# Altium PCB netv2mvp-pvt1b.PCBDOC (part 7 of 7)
Units mm, origin at the board's own origin, x right, y up, seen from the top; angles counter-clockwise.
Board outline 100 x 100 mm, 6 copper layers (L1, L2, L3, L4, L5, L6), stack 1.554 mm thick; 357 components, 296 nets, 2117 pads, 969 vias.
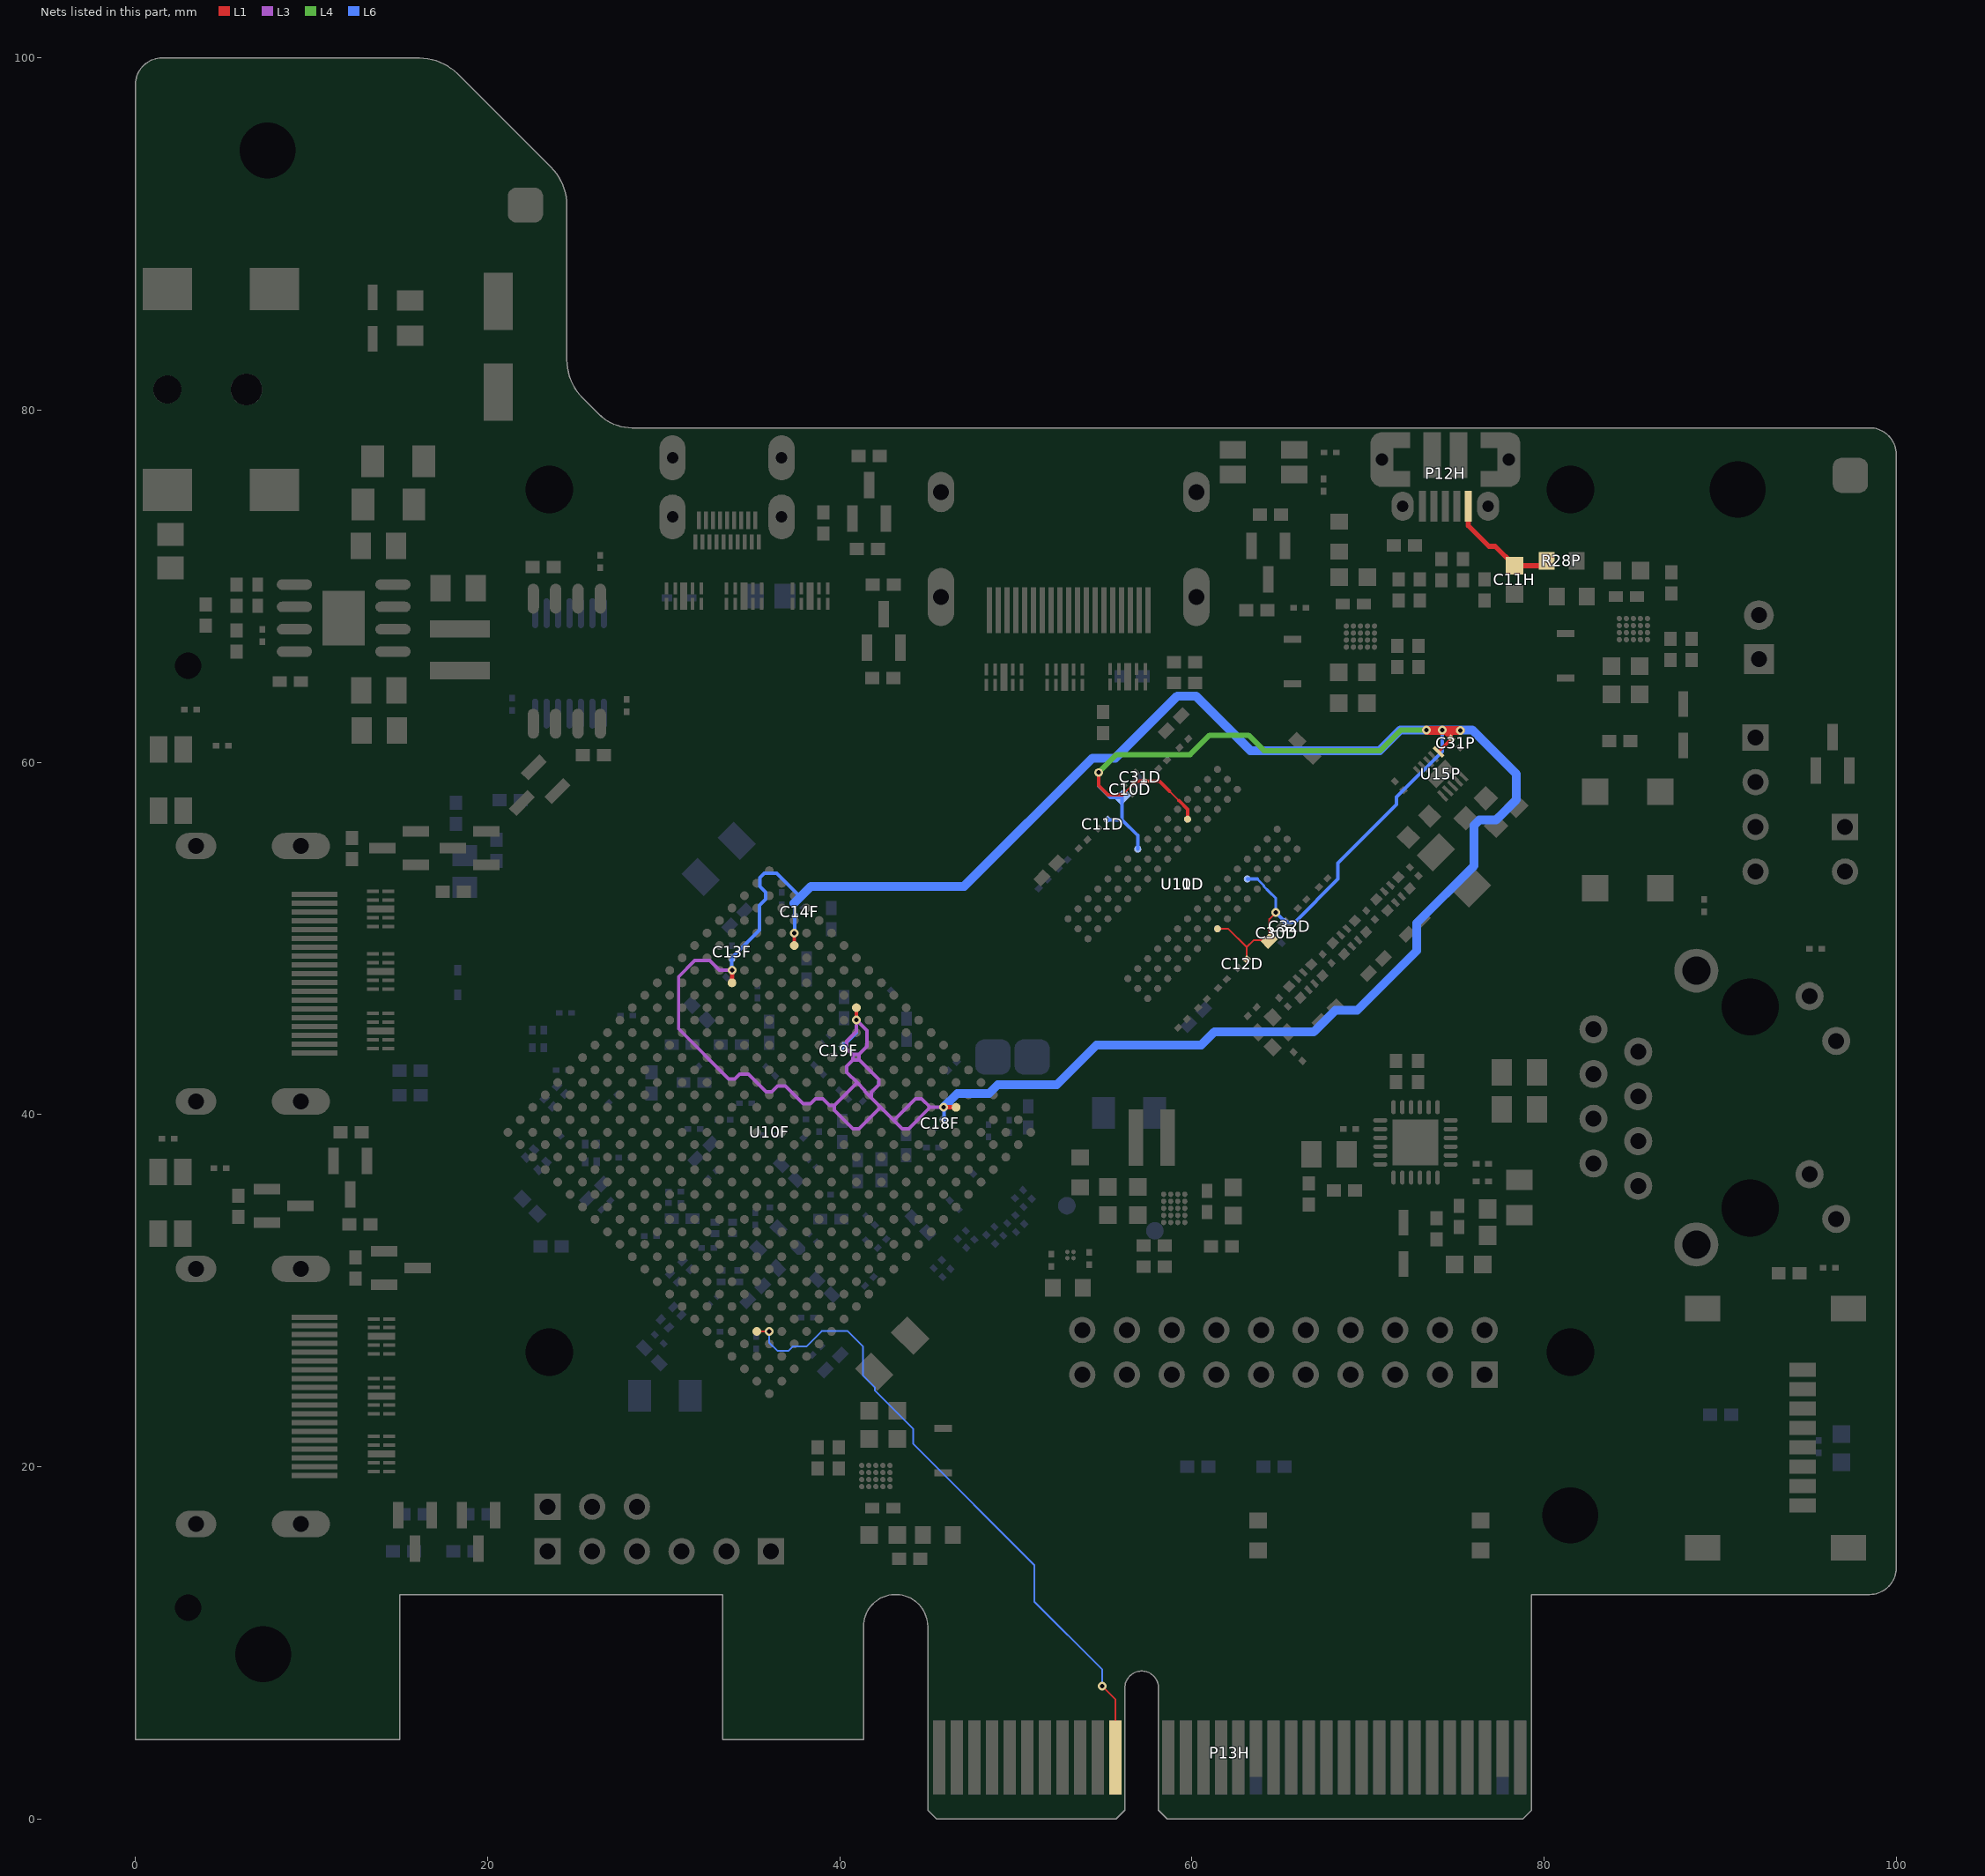
[diagram p11: the nets of this part, all layers, seen from the top]

## Via types
v1: diameter 0.5, hole 0.25, L1 to L6, tented both sides, 895 vias
v2: diameter 0.45, hole 0.25, L1 to L6, tented both sides, 57 vias
v3: diameter 0.7, hole 0.33, L1 to L6, 6 vias
v4: diameter 0.7, hole 0.33, L1 to L6, tented both sides, 5 vias
v5: diameter 0.66, hole 0.33, L1 to L6, tented top, 4 vias
v6: diameter 0.5, hole 0.25, L1 to L6, tented top, 2 vias

## Nets (pads, with @x,y where several pads share a name; then routed paths per layer and width w, separated by ;. In a path a pad name is that pad's centre, name@x,y a point inside that pad or via, vN(x,y) a via of type N, cw(c..) or ccw(c..) an arc to the next point about the centre after c; other vN are vias at no path point) (continued)
VTT_REF: C10D.2 C11D.1 C12D.1 C13F.1 C14F.1 C18F.1 C19F.1 C30D.2 C31D.1 C31P.1 C32D.1 U10D.H1 U10D.M8 U10F.E3 U10F.N3 U10F.V3 U10F.W7 U11D.H1 U11D.M8 U15P.6 | length 215.9
  L1 w0.1: 56.05,58.15 56.575,58.675 ; 58.738,58.359 59.248,57.848 ; U11D.H1@61.453,50.553 62.072,50.553 63.115,49.51 ; C12D.1@63.115,48.82 63.115,49.51 ; v1(64.775,51.473) 64.401,51.099 C30D.2@64.401,49.901 63.505,49.901 63.115,49.51
  L1 w0.2: U10F.V3@37.414,49.607 v1(37.414,50.298) ; U10F.N3@40.95,46.071 40.952,46.069 v1(40.952,45.377) ; v1(54.7,59.425) 54.7,58.675 55.225,58.15 56.05,58.15 ; 56.575,58.675 56.832,58.932 C31D.1@57.316,58.932 58.165,58.932 58.738,58.359 ; 59.248,57.848 59.756,57.341 U11D.M8@59.756,56.775 ; U15P.6@74.01,60.603 74.728,61.321 C31P.1@74.728,61.347 ; v1(74.225,61.85) 74.25,61.825 C31P.1@74.728,61.347 ; 74.725,61.825 74.728,61.822 C31P.1@74.728,61.347
  L1 w0.25: U10F.W7@33.879,47.485 v1(33.879,48.2) ; v1(45.892,40.414) U10F.E3@46.607,40.414
  L1 w0.5: v1(73.325,61.85) 73.35,61.825 74.25,61.825 74.725,61.825 v1(75.25,61.825)
  L3 w0.2: v1(33.879,48.2) 33.175,48.2 32.625,48.75 31.775,48.75 30.85,47.825 30.85,44.875 33.7,42.025 34.05,42.025 34.325,42.3 34.825,42.3 35.825,41.3 36.15,41.3 36.475,41.625 36.925,41.625 37.925,40.625 38.35,40.625 38.625,40.9 39.05,40.9 39.425,40.525 39.7,40.525 ; v1(45.892,40.414) 45.136,40.414 ; 39.7,40.525 39.7,40.25 40.75,39.2 41.1,39.2 42.325,40.425 ; 39.7,40.525 40.987,41.812 ; 40.75,43.1 41.075,43.1 41.1,43.125 ; 40.75,43.1 40.4,42.75 40.4,42.4 40.987,41.812 ; 40.75,43.1 40.75,43.4 ; 40.75,43.4 40.775,43.425 41.1,43.425 ; 40.75,43.4 40.4,43.75 40.4,44.175 40.952,44.727 v1(40.952,45.377) 41.55,44.779 41.55,43.875 41.1,43.425 ; 40.987,41.812 41.425,41.375 41.425,41.325 41.8,40.95 ; 41.1,43.125 41.1,43.425 ; 41.1,43.125 42.225,42 42.225,41.7 41.8,41.275 41.8,40.95 ; 41.8,40.95 42.325,40.425 ; 42.325,40.425 43.075,39.675 ; 43.075,39.675 44.3,40.9 44.65,40.9 45.136,40.414 ; 43.075,39.675 43.55,39.2 43.922,39.2 45.136,40.414
  L4 w0.3: v1(54.7,59.425) 55.725,60.45 59.9,60.45 61,61.55 63.225,61.55 64.1,60.675 70.7,60.675 71.875,61.85 v1(73.325,61.85) v1(74.225,61.85)
  L6 w0.15: 63.719,53.381 64.091,53.009 64.091,52.959 64.375,52.675 ; 64.376,52.675 64.775,52.276 v1(64.775,51.473)
  L6 w0.18: U10D.M8@63.15,53.381 63.719,53.381
  L6 w0.2: v1(33.879,48.2) 33.875,48.204 C13F.1@33.875,48.9 35.45,50.475 35.45,51.875 35.8,52.225 35.8,52.625 35.475,52.95 35.475,53.45 35.725,53.7 36.425,53.7 37.75,52.375 ; 37.4,52 37.453,51.947 C14F.1@37.453,51.278 37.453,50.337 v1(37.414,50.298) ; C19F.1@40.172,43.872 40.952,44.652 v1(40.952,45.377) ; v1(45.892,40.414) 45.922,40.383 C18F.1@45.922,39.747 ; v1(54.7,59.425) 54.7,58.65 55.35,58 C10D.2@56.025,58 ; C11D.1@55.195,56.74 56.035,56.74 ; C10D.2@56.035,58.01 56.035,56.74 ; U10D.H1@56.927,55.078 56.927,55.848 56.035,56.74 ; v1(64.775,51.473) C32D.1@65.307,50.942 65.867,50.942 68.3,53.375 68.3,54.275 71.625,57.6 71.625,58.025 74.225,60.625 v1(74.225,61.85)
  L6 w0.5: 37.4,52 38.367,52.967 47.067,52.967 54.35,60.25 55.65,60.25 59.175,63.775 60.225,63.775 63.325,60.675 70.675,60.675 71.85,61.85 v1(73.325,61.85) v1(74.225,61.85) 75.925,61.85 78.425,59.35 78.425,57.875 77.275,56.725 76.325,56.725 76.025,56.425 76.025,54.125 72.775,50.875 72.775,49.3 69.4,45.925 68.15,45.925 66.925,44.7 61.275,44.7 60.525,43.95 54.575,43.95 52.325,41.7 48.975,41.7 48.475,41.2 46.677,41.2 v1(45.892,40.414)
VUSB: C11H.1 P12H.1 R28P.2 | length 6.5
  L1 w0.3: P12H.1@75.7,74.475 75.7,73.45 76.875,72.275 77.225,72.275 C11H.1@78.325,71.175 79.875,71.175 R28P.2@80.15,71.45
WAKE#: P13H.B11 U10F.D20 | length 36.9
  L1 w0.1: U10F.D20@35.293,27.686 v1(35.993,27.686) ; v1(54.9,7.55) 55.65,6.8 P13H.B11@55.65,3.5
  L6 w0.1: v1(35.993,27.686) 35.993,27.057 36.475,26.575 37.075,26.575 37.325,26.825 38.1,26.825 38.975,27.7 40.45,27.7 41.325,26.825 41.325,25.175 42,24.5 42,24.325 44.175,22.15 44.175,21.3 51.05,14.425 51.05,12.35 54.9,8.5 v1(54.9,7.55)
pads on no net: J10E.NPT J10E.R7 J10H.14 J11E.0 J11H.14 J11H.18 J12H.14 JP10P.0 P10H.2 P11C.2 P11C.18 P11C.20 P13H.A19 P13H.A32 P13H.B30 RP14D.8 SW10C.4 U10D.J1 U10D.J9 U10D.L1 U10D.L9 U10D.M7 U10D.T7 U10E.7 U10E.16 U10F.AA4 U10F.AA5 U10F.AA6 U10F.AA8 U10F.AA9 U10F.AA10 U10F.AA11 U10F.AA13 U10F.AA14 U10F.AA15 U10F.AA16 U10F.AA20 U10F.AB6 U10F.AB7 U10F.AB8 U10F.AB10 U10F.AB11 U10F.AB12 U10F.AB13 U10F.AB15 U10F.AB16 U10F.AB17 U10F.C13 U10F.D14 U10F.D16 U10F.E16 U10F.E17 U10F.E21 U10F.F4 U10F.F15 U10F.F18 U10F.F19 U10F.G4 U10F.G15 U10F.G16 U10F.G17 U10F.G18 U10F.H13 U10F.H14 U10F.H15 U10F.H17 U10F.H19 U10F.H20 U10F.J14 U10F.J15 U10F.J16 U10F.J17 U10F.K13 U10F.K16 U10F.K17 U10F.K19 U10F.L4 U10F.L6 U10F.L18 U10F.M15 U10F.M17 U10F.M18 U10F.M20 U10F.N13 U10F.N14 U10F.N15 U10F.N17 U10F.N18 U10F.N19 U10F.P14 U10F.P15 U10F.R4 U10F.R6 U10F.R14 U10F.R18 U10F.T1 U10F.T3 U10F.T4 U10F.T5 U10F.T6 U10F.T14 U10F.T15 U10F.T16 U10F.T20 U10F.U1 U10F.U2 U10F.U3 U10F.U7 U10F.U15 U10F.U16 U10F.V10 U10F.V13 U10F.V14 U10F.V15 U10F.V19 U10F.V22 U10F.W1 U10F.W2 U10F.W10 U10F.W11 U10F.W12 U10F.W14 U10F.W15 U10F.W16 U10F.Y4 U10F.Y6 U10F.Y11 U10F.Y12 U10F.Y13 U10F.Y14 U10F.Y16 U10F.Y17 U10F.Y21 U10F.Y22 U11D.J1 U11D.J9 U11D.L1 U11D.L9 U11D.M7 U11D.T7

## Polygon pours and split planes (outlines as drawn)
P5.0V on L3 "P5.0V_L03_P020" (solid, remove dead copper, pour order 20): 60.867,36.4 62.845,36.4 63.8,37.3 63.8,39.618 64.583,40.45 74.6,40.45 74.6,43.775 68.65,43.775 68.1,44.325 65.25,44.325 64.175,43.25 61.515,43.25 60.2,41.935 60.2,37.067
P1.2VTT on L3 "P1.2VTT_L03_P000" (solid, remove dead copper, pour order 0): 53.1,33.4 52.025,34.475 52.025,38.85 51.475,39.4 46.9,39.4 42.475,34.975 42.475,32.6 43.025,32.05 43.5,32.05 44,32.05 55,32.05 55.35,32.4 55.35,33.075 55.025,33.4
P5.0V on L3 "P5.0V_L03_P028" (solid, remove dead copper, pour order 28): 70.95,41.4 73.125,41.4 80.2,34.325 80.2,32.3 80.85,31.65 84.175,31.65 84.875,32.35 84.875,34.375 80.7,38.55 80.7,40.675 77.6,43.775 74.6,43.775
GND on L1 "GND_L01_P024" (solid, remove dead copper, pour order 24): 99.657,5.435 99.657,78.76 67.082,111.335 0.257,111.335 -10.243,100.835 -10.243,11.735 -3.943,5.435
GND on L1 "GND_L01_P002" (solid, remove dead copper, pour order 2): 18.85,99.4 18.85,90.225 25.225,90.225 25.25,90.2 25.25,96.525 22.35,99.425
GND on L1 "GND_L01_P006" (solid, remove dead copper, pour order 6): 95.025,79.725 95.025,73.75 95,73.725 100.75,73.725 100.775,73.7 100.775,79.75 100.725,79.8
GND on L6 "GND_L06_P022" (solid, remove dead copper, pour order 22): -2.8,111.6 87.4,111.6 101.15,97.85 101.15,11.2 96.05,6.1 4.2,6.1 -9.2,19.5 -5.1,23.6 -5.1,111.3
GND on L6 "GND_L06_P004" (solid, remove dead copper, pour order 4): 18.85,99.825 18.85,90.225 24.875,90.225 24.925,90.275 24.925,97.6 22.725,99.8
GND on L6 "GND_L06_P008" (solid, remove dead copper, pour order 8): 95.025,79.925 95.025,73.725 100.675,73.725 100.7,73.7 100.7,79.275 100.25,79.725
P5.0V on L4 "P5.0V_L04_P010" (solid, remove dead copper, pour order 10): 84.375,69.925 81.925,67.475 78.4,67.475 73.8,72.075 45,72.075 40.625,67.7 30.35,67.7 28.2,69.85 28.2,71.425 27.35,72.275 25.025,72.275 19.5,66.75 19.5,59.894 13.762,59.894 13.763,64.888 13.763,76.888 18.825,81.95 83.125,81.95 84.375,80.7
P5.0V on L4 "P5.0V_L04_P012" (solid, remove dead copper, pour order 12): 72.775,29.475 72.775,22.975 70.35,20.55 49.5,20.55 46.65,17.7 46.65,17.3 49.45,14.5 49.825,14.5 52.475,17.15 74.25,17.15 78.6,21.5 78.6,28.775 78.6,28.83 78.6,28.8 78.6,28.77 78.6,29.475
P5.0V on L4 "P5.0V_L04_P026" (solid, remove dead copper, pour order 26): 84.375,78.472 99.278,78.472 100.75,77 100.75,22.125 100.15,21.525 100.025,21.65 74.1,21.65 72.775,22.975 72.775,29.7 76.725,33.65 83.475,33.65 88.1,29.025 91.85,29.025 94.3,31.475 94.3,50.425 93.15,51.575 93.15,64.875 88.1,69.925 84.375,69.925
GND on L2 (split plane): 217 vertices, not listed, extent 0.301,0.301 99.699,99.699
P3.3V on L5 (split plane): 217 vertices, not listed, extent 0.301,0.301 99.699,99.699
P1.5V_D on L5 (split plane): 69.048,64.383 69.048,61.9 69.056,61.861 69.078,61.828 69.578,61.328 70.348,60.558 70.348,59.075 70.356,59.036 70.378,59.003 72.428,56.953 72.461,56.931 72.5,56.923 73.473,56.923 73.473,56.292 72.658,55.477 71.875,55.477 71.836,55.469 71.803,55.447 71.278,54.922 71.256,54.889 71.248,54.85 71.248,52.517 65.253,46.522 65.231,46.489 65.223,46.45 65.223,45.4 65.231,45.361 65.253,45.328 66.403,44.178 66.436,44.156 66.475,44.148 66.758,44.148 67.398,43.508 67.398,42.942 66.378,41.922 66.283,41.827 58.975,41.827 58.936,41.819 58.903,41.797 55.852,38.746 55.852,38.914 55.844,38.953 55.822,38.986 54.536,40.272 54.503,40.294 54.464,40.302 53.075,40.302 53.036,40.294 53.003,40.272 51.483,38.752 44.167,38.752 37.672,45.247 37.639,45.269 37.6,45.277 36.95,45.277 36.911,45.269 36.878,45.247 36.608,44.977 35.392,44.977 35.122,45.247 35.089,45.269 35.05,45.277 34.225,45.277 34.186,45.269 34.153,45.247 33.803,44.897 33.781,44.864 33.773,44.825 33.773,44.642 33.566,44.436 32.809,44.436 32.697,44.547 32.664,44.569 32.625,44.577 32.25,44.577 32.211,44.569 32.178,44.547 31.96,44.329 31.534,44.329 30.952,44.911 30.952,46.658 31.272,46.978 31.294,47.011 31.302,47.05 31.302,47.35 31.302,53.083 32.372,54.153 35.017,56.798 36.875,56.798 36.914,56.806 36.947,56.828 41.467,61.348 56.775,61.348 56.814,61.356 56.847,61.378 59.217,63.748 66.675,63.748 66.714,63.756 66.747,63.778 67.617,64.648 68.783,64.648
P1.8V on L5 (split plane): 34.348,42.733 34.348,42.567 34.003,42.222 33.981,42.189 33.973,42.15 33.973,41.6 33.981,41.561 34.003,41.528 34.273,41.258 34.273,40.95 34.273,40.65 34.281,40.611 34.303,40.578 35.678,39.203 35.711,39.181 35.75,39.173 36.975,39.173 37.014,39.181 37.047,39.203 37.167,39.323 37.608,39.323 37.925,39.006 37.925,37.623 37.933,37.584 37.955,37.551 39.748,35.758 39.748,34.575 39.756,34.536 39.778,34.503 40.678,33.603 40.711,33.581 40.75,33.573 41.883,33.573 43.798,31.658 43.798,31.3 43.806,31.261 43.828,31.228 44.873,30.183 44.873,30.059 44.868,30.052 44.861,30.012 44.868,29.973 44.873,29.966 44.873,27.875 44.881,27.836 44.903,27.803 45.248,27.458 45.248,26.525 45.248,22.817 44.108,21.677 43.017,21.677 42.577,22.117 42.577,24.575 42.569,24.614 42.547,24.647 41.477,25.717 41.477,30.025 41.469,30.064 41.447,30.097 41.172,30.372 41.139,30.394 41.1,30.402 40.775,30.402 40.736,30.394 40.703,30.372 40.483,30.152 39.992,30.152 38.697,31.447 38.452,31.692 38.452,32.283 39.272,33.103 39.294,33.136 39.302,33.175 39.302,33.525 39.294,33.564 39.272,33.597 39.222,33.647 38.972,33.897 38.939,33.919 38.9,33.927 38.55,33.927 38.511,33.919 38.478,33.897 38.358,33.777 37.917,33.777 37.177,34.517 37.177,35.737 37.169,35.776 37.147,35.809 36.934,36.022 36.901,36.044 36.862,36.052 35.1,36.052 35.061,36.044 35.028,36.022 34.708,35.702 34.5,35.702 34.177,36.025 34.177,36.33 34.497,36.65 34.519,36.683 34.527,36.722 34.527,37.05 34.519,37.089 34.497,37.122 34.322,37.297 33.422,38.197 33.389,38.219 33.35,38.227 32.392,38.227 31.502,39.117 31.502,40.758 33.072,42.328 33.912,43.168
P1.0V on L5 (split plane): 44.053,38.578 44.086,38.556 44.125,38.548 51.525,38.548 51.564,38.556 51.597,38.578 53.117,40.098 54.422,40.098 55.648,38.872 55.648,38.55 55.653,38.525 55.648,38.5 55.648,35.742 55.308,35.402 51.3,35.402 51.261,35.394 51.228,35.372 49.083,33.227 47.85,33.227 47.811,33.219 47.778,33.197 45.828,31.247 45.806,31.214 45.798,31.175 45.798,30.992 45.069,30.263 45.069,30.264 45.047,30.297 44.002,31.342 44.002,31.7 43.994,31.739 43.972,31.772 41.997,33.747 41.964,33.769 41.925,33.777 40.792,33.777 39.952,34.617 39.952,35.8 39.944,35.839 39.922,35.872 38.129,37.665 38.129,39.048 38.121,39.087 38.099,39.12 37.722,39.497 37.689,39.519 37.65,39.527 37.125,39.527 37.086,39.519 37.053,39.497 36.933,39.377 35.792,39.377 34.477,40.692 34.477,40.95 34.477,41.3 34.469,41.339 34.447,41.372 34.177,41.642 34.177,42.108 34.522,42.453 34.544,42.486 34.552,42.525 34.552,42.775 34.544,42.814 34.522,42.847 34.247,43.122 33.739,43.63 33.739,44.32 33.947,44.528 33.969,44.561 33.977,44.6 33.977,44.783 34.267,45.073 35.008,45.073 35.278,44.803 35.311,44.781 35.35,44.773 36.65,44.773 36.689,44.781 36.722,44.803 36.992,45.073 37.558,45.073
VTT on L5 (split plane): 80.248,56.933 80.248,56.267 78.708,54.727 76.525,54.727 76.486,54.719 76.453,54.697 74.078,52.322 74.056,52.289 74.048,52.25 74.048,50.192 69.558,45.702 68.15,45.702 68.111,45.694 68.078,45.672 66.758,44.352 66.517,44.352 65.427,45.442 65.427,46.408 71.422,52.403 71.444,52.436 71.452,52.475 71.452,54.808 71.917,55.273 72.7,55.273 72.739,55.281 72.772,55.303 73.647,56.178 73.669,56.211 73.677,56.25 73.677,57.229 73.946,57.498 79.683,57.498

## Keep-outs
L1:
  rectangle: 0,89.7 12.7,110.15
  rectangle: 79.3,12.75 100,13.75
  region: 0,4.45 15,4.45 ccw(c15,4.5) 15.05,4.5 15.05,12.7 33.3,12.7 33.3,7.95 ccw(c33.35,7.95) 33.35,7.9 41.35,7.9 ccw(c41.35,7.95) 41.4,7.95 ccw(c41.35,7.95) 41.4,7.951 41.4,10.925 cw(c43.175,10.925) 44.95,10.925 ccw(c45,10.925) 45.05,10.925 45.05,13.75 ccw(c45,13.75) 45,13.8 0,13.8 ccw(c0,13.75) -0.05,13.75 -0.05,4.5 ccw(c0,4.5)
L6:
  rectangle: 79.3,12.75 100,13.75
  rectangle: 0,89.7 12.7,110.15
  rectangle: 0,13.75 5.08,89.7
  region: 0,4.45 15,4.45 ccw(c15,4.5) 15.05,4.5 15.05,12.7 33.3,12.7 33.3,7.95 ccw(c33.35,7.95) 33.35,7.9 41.35,7.9 ccw(c41.35,7.95) 41.4,7.95 ccw(c41.35,7.95) 41.4,7.951 41.4,10.925 cw(c43.175,10.925) 44.95,10.925 ccw(c45,10.925) 45.05,10.925 45.05,13.75 ccw(c45,13.75) 45,13.8 0,13.8 ccw(c0,13.75) -0.05,13.75 -0.05,4.5 ccw(c0,4.5)
TopSolder:
  rectangle: 33.35,4.5 41.35,7.95
BottomSolder:
  rectangle: 33.35,4.5 41.35,7.95
KeepOutLayer:
  lines w0.1: 0,4.5 0,98.5 cw(c1.5,98.5) 1.5,100 12,100 16.13,100 cw(c16.13,96.934) 18.298,99.102 23.602,93.798 cw(c21.434,91.63) 24.5,91.63 24.5,86.23 24.5,82.87 ccw(c27.566,82.87) 25.398,80.702 26.322,79.778 ccw(c28.2,81.656) 28.2,79 98.5,79 cw(c98.5,77.5) 100,77.5 100,14.25 cw(c98.5,14.25) 98.5,12.75 79.3,12.75 79.3,0.5 78.8,0 58.6,0 58.1,0.5 58.1,7.45 ccw(c57.15,7.45) 56.2,7.45 56.2,0.5 55.7,0 45.5,0 45,0.5 45,10.925 ccw(c43.175,10.925) 41.35,10.925 41.35,4.5 33.35,4.5 33.35,12.75 15,12.75 15,4.5 0,4.5

## Other copper
L1:
  rectangle net P5.0V: 61.772,36.3 63.2,38.175
  pour cut-out: 15.9,90.9 15.9,98.6 18.3,98.6 18.3,90.9
  pour cut-out: 31.4,8 42.5,8 42.5,3.4 31.4,3.4
  text "1" at 16.3,98.4 h1.2 r270
L3:
  region net P1.5V_D: 60.814,48.929
  text "3" at 16.3,96.1 h1.2 r270
L4:
  text "4" at 16.3,94.9 h1.2 r270
L6:
  pour cut-out: 15.9,90.875 15.9,98.6 18.3,98.6 18.3,90.875
  pour cut-out: 31.4,8 42.5,8 42.5,3.4 31.4,3.4
  text "6" at 16.3,92.3 h1.2 r270
L2 (plane layer: these items are gaps in the copper):
  rectangle: 15.925,90.925 18.3,96
  rectangle: 15.925,97.3 18.3,98.6
  rectangle: 33.1,4.5 41.2,8
  text "2" at 16.3,97.3 h1.2 r270
L5 (plane layer: these items are gaps in the copper):
  rectangle: 15.9,93.6 18.3,98.6
  rectangle: 15.9,90.95 18.3,92.3
  rectangle: 33.35,4.5 41.35,8
  lines w0.2: 33.637,44.362 33.637,43.587 34.175,43.05 ; 34.25,37.225 34.425,37.05 ; 39.15,33.575 39.2,33.525 ; 44.962,30.012 45.9,30.95 45.9,31.175 47.85,33.125 49.125,33.125 51.3,35.3 55.35,35.3 55.75,35.7 55.75,38.5 58.975,41.725 65.5,41.725 66.325,41.725 66.45,41.85 67.5,42.9 67.5,43.55 66.8,44.25 ; 45.35,26.525 45.35,27.5 ; 55.75,38.55 55.75,38.914 54.464,40.2 53.075,40.2 51.525,38.65 51.075,38.65 48.8,38.65 44.125,38.65 37.6,45.175 36.95,45.175 36.65,44.875 35.35,44.875 35.05,45.175 34.225,45.175 33.875,44.825 33.875,44.6 33.609,44.334 33.359,44.334 32.766,44.334 32.625,44.475 32.25,44.475 32.002,44.227 31.492,44.227 30.85,44.869 30.85,46.7 31.2,47.05 31.2,47.35 31.2,53.125 32.3,54.225 34.975,56.9 36.875,56.9 41.425,61.45 56.775,61.45 59.175,63.85 66.675,63.85 67.575,64.75 68.825,64.75 69.15,64.425 69.15,61.9 ; 69.65,61.4 69.15,61.9 ; 73.575,57.025 72.5,57.025 70.45,59.075 70.45,60.6 69.15,61.9 ; 74.2,57.6 73.904,57.6 ; 34.425,36.722 34.075,36.372 34.075,35.983 34.458,35.6 34.75,35.6 35.1,35.95 35.525,35.95 36.862,35.95 37.075,35.737 37.075,34.475 37.875,33.675 38.4,33.675 38.55,33.825 38.9,33.825 39.2,33.525 ; 34.425,36.722 34.425,37.05 ; 34.425,36.722 34.425,37.05 ; 34.425,37.05 33.35,38.125 32.35,38.125 31.4,39.075 31.4,40.8 33,42.4 33.912,43.312 34.45,42.775 34.45,42.525 34.075,42.15 34.075,41.6 34.375,41.3 34.375,40.95 34.375,40.65 35.75,39.275 36.425,39.275 36.975,39.275 37.125,39.425 37.65,39.425 38.027,39.048 38.027,37.623 39.85,35.8 39.85,34.575 40.75,33.675 41.925,33.675 43.9,31.7 43.9,31.3 44.975,30.225 44.975,27.875 45.35,27.5 ; 39.2,33.525 39.2,33.175 38.35,32.325 38.35,31.65 38.625,31.375 39.95,30.05 40.525,30.05 40.775,30.3 41.1,30.3 41.375,30.025 41.375,25.675 42.475,24.575 42.475,22.075 42.975,21.575 44.15,21.575 45.35,22.775 45.35,27.5 ; 66.8,44.25 66.475,44.25 65.325,45.4 65.325,46.45 71.35,52.475 71.35,54.85 71.875,55.375 72.7,55.375 73.575,56.25 73.575,57.271 73.904,57.6 ; 66.8,44.25 68.15,45.6 69.6,45.6 74.15,50.15 74.15,52.25 76.525,54.625 78.75,54.625 80.35,56.225 80.35,56.975 79.725,57.6 73.904,57.6
  text "5" at 16.3,93.6 h1.2 r270

## Silkscreen, mask and mechanical layers (free items; w line width, h text height)
TopOverlay:
  lines w0.2: 53.2,36.45 54.1,36.65 ; 53.2,36.85 54.1,37.05
  text "GND" at 20.7,88.9 h1.5
  text "6-18V @ 12W, center +" at 1.7,88.5 h1.5
  text "FUSB" at 69.85,74.55 h1.5 r90
  text "PWR" at 3.3,73.3 h1.5 r270
  text "GND" at 96.025,72.675 h1.5
  text "FAN (12V)" at 92.925,71.125 h1.5
  text "+" at 89.8,67.1 h0.8 r90
  text "TX1" at 33.3,66.2 h1.5
  text "-" at 89.8,64.7 h0.8 r90
  text "OVERLAY" at 47.2,61.9 h1.5
  text "3V" at 88.9,60.845 h1.5
  text "Alphamax LLC / NeTV2 MVP" at 31.1,59 h2
  text "RX" at 88.8,58.445 h1.5
  text "PVT1B - 07/18" at 31.1,57.5 h1.5
  text "TX" at 88.8,55.945 h1.5
  text "GND" at 87.8,53.345 h1.5
  text "JTAG" at 94.5,53.19 h1.5 r90
  text "MODE" at 95.6,53.09 h1.5 r90
  text "PROG" at 83.1,50.76 h1.5
  text "TX0" at 16.4,49.4 h1.5 r270
  text "DPA" at 52.2,33.2 h0.7 r90
  text "TDO" at 57.3,28.9 h1.5
  text "TDI" at 60.3,28.9 h1.5
  text "TMS" at 62.6,28.9 h1.5
  text "GND" at 66.9,28.9 h1.5 r90
  text "TCK" at 67.8,28.9 h1.5
  text "INT1" at 70.75,28.9 h1.5
  text "INT0" at 73.5,28.9 h1.5
  text "RX0" at 16.4,25 h1.5 r270
  text "5V" at 74.5,23 h1.5
  text "TX" at 67,22.4 h1.5 r90
  text "RX" at 69.5,22.4 h1.5 r90
  text "GND" at 72.1,21.2 h1.5 r90
  text "GND" at 54.2,21.1 h1.5 r90
  text "INIT" at 59.3,21.1 h1.5 r90
  text "GND" at 61.8,21.1 h1.5 r90
  text "DON" at 64.4,21.1 h1.5 r90
  text "PROG" at 56.75,20.25 h1.5 r90
  text "SNOOP" at 24.855,19.3 h1.5 r90
  text "SOURCE" at 27.75,19.25 h1.5 r90
  text "GND" at 36.605,16.8 h1.5 r90
  text "HAX8" at 31.5,16.75 h1.5 r90
  text "HAX7" at 34,16.75 h1.5 r90
BottomOverlay:
  circle w0.2: c86.625,69.55 r0.811
  region: 18.325,70.75 18.325,77.95 1.925,77.95 1.925,70.75
  lines w0.2: 53.2,36.444 54.1,36.644 ; 53.2,36.844 54.1,37.044 ; 53.5,35.1 54,35.1 ; 56.7,34.5 56.9,34.5 57.5,33.9
  text "c  2018 Alphamax LLC" at 87.037,69.091 h2
  text "+" at 93.6,67.9 h1.5 r270
  text "Copyrights: CERN OHL v1.2" at 87.137,67.041 h2
  text "-" at 93.6,65.4 h1.5 r270
  text "Patents: Apache 2.0" at 87.1,65.1 h2
  text "bunnie@alphamaxmedia.com" at 87.1,63.4 h1.5
  text "3V" at 90.35,60.845 h1.5
  text "RX" at 90.45,58.445 h1.5
  text "MODE" at 95.6,56.69 h1.5 r90
  text "JTAG" at 94.5,56.49 h1.5 r90
  text "TX" at 90.45,55.945 h1.5
  text "GND" at 90.45,53.345 h1.5
  text "DPA CUT" at 56.9,35.8 h0.7
  text "DPA BYP" at 56.835,33.29 h0.7
  text "TDO" at 58.5,29.8 h1.5 r270
  text "TDI" at 61,29.8 h1.5 r270
  text "TMS" at 63.6,29.8 h1.5 r270
  text "GND" at 66.1,29.8 h1.5 r270
  text "TCK" at 68.6,29.8 h1.5 r270
  text "INT1" at 71.1,29.8 h1.5 r270
  text "INT0" at 73.6,29.8 h1.5 r270
  text "RX" at 68.6,21.2 h1.5 r270
  text "GND" at 71.2,21.2 h1.5 r270
  text "5V" at 73.6,21.2 h1.5 r270
  text "5V" at 76.1,21.2 h1.5 r270
  text "GND" at 53.3,21.1 h1.5 r270
  text "INIT" at 58.4,21.1 h1.5 r270
  text "GND" at 60.9,21.1 h1.5 r270
  text "DON" at 63.5,21.1 h1.5 r270
  text "TX" at 66.1,21.1 h1.5 r270
  text "PROG" at 55.75,20.25 h1.5 r270
TopSolder:
  rectangle: 18.725,90.1 25.125,98.9
  rectangle: 94.925,73.65 100.375,79.625
BottomSolder:
  rectangle: 18.75,90.125 25.05,98.875
  rectangle: 94.925,73.65 100.4,79.65
PCI-SIG Outline:
  lines w0.1: 98.5,12.75 ccw(c98.5,14.25) 100,14.25 100,77.5 ccw(c98.5,77.5) 98.5,79 28.2,79 cw(c28.2,81.656) 26.322,79.778 25.398,80.702 cw(c27.566,82.87) 24.5,82.87 24.5,86.23 24.5,91.63 ccw(c21.434,91.63) 23.602,93.798 18.298,99.102 ccw(c16.13,96.934) 16.13,100 12,100 0,100 0,4.5 15,4.5 15,12.75 33.35,12.75 33.35,4.5 41.35,4.5 41.35,10.925 cw(c43.175,10.925) 45,10.925 45,0.5 45.5,0 55.7,0 56.2,0.5 56.2,7.45 cw(c57.15,7.45) 58.1,7.45 58.1,0.5 58.6,0 78.8,0 79.3,0.5 79.3,12.75 98.6,12.75
Mechanical2:
  lines w0.1: -3.4,80.9 -0.07,80.9 cw(c-0.07,77.834) 2.098,80.002 4.729,77.371 cw(c4.559,77.2) 4.8,77.2 ; 17,23 17,59 18.7,59 21,59 21,79 ; 23.725,42.75 25.7,40.775 27.15,40.775 29.35,38.575 29.9,38.575 31.425,40.1 33.475,40.1 34.4,39.175 34.4,38.8 ; 26.3,32.1 30.175,35.975 30.55,35.975 30.8,35.725 31.325,35.725 34.4,38.8 ; 30.5,27.775 32.3,29.575 32.725,29.575 32.925,29.375 33.425,29.375 38.55,34.5 38.55,35.025 34.775,38.8 34.4,38.8 ; 42.125,50.625 40.759,49.259 cw(c40.375,49.643) 40.375,49.1 ccw(c40.375,47.591) 39.308,48.658 38.375,47.725 ccw(c40.186,45.914) 37.625,45.914 37.625,45.425 ccw(c38.41,45.425) 37.855,44.87 38.375,44.35 cw(c37.289,43.264) 38.825,43.264 38.825,42.925 ccw(c39.791,42.925) 39.108,42.242 40.3,41.05 ccw(c42.111,42.861) 42.111,40.3 42.15,40.3 cw(c42.15,37.765) 43.942,39.558 44.027,39.473 ccw(c46.195,41.641) 46.195,38.575 53.55,38.575 ; 52.5,21.1 52.5,29.4 ; 52.5,21.5 81.5,21.5 ; 53,63.6 53,88 ; 62.975,47.975 cw(c63.035,47.975) 62.993,48.018 69.625,54.65 ; 63.175,47.25 ccw(c63.175,47.371) 63.26,47.285 70.6,54.625 ; 64.2,46.925 cw(c64.743,46.925) 64.359,47.309 70.675,53.625 ; 81.5,21.2 81.5,26.5 ; 85,79.8 85,88 ; 0,23 85,23 85,79 0,79 0,23
  lines w0.2: 53,88 85,88
  text "32 mm from this back edge to HDMI center" at 55.425,89.475 h0.7
  text "bottom side height restriction = 1mm" at -55.9,79.9 h1.5
  text "+5mm extension for microSD card" at 87.225,54.8 h0.7 r270
  text "Targeting notes:" at 113.3,26.9 h1.5
  text "Long trace runs = 40 ohm (nominal impedance)" at 113,23.2 h1.5
  text "23mm center-center on HDMI connector" at -4.05,21.925 h0.7 r90
  text "*DRAM-DRAM routing = 60 ohm, with DRAM capacitance drops to 40 ohm target" at 113.3,19.7 h1.5
  text "Standardize on 50 ohm @ 0.1mm width" at 113.6,16.3 h1.5
  text "notes: 5 days sch capture, just shy of 3 weeks routing (wall clock time)" at 115,13.9 h1.5
Mechanical3:
  drawing of 4115 lines, arcs and shapes, not listed
  text "Layer" at 162.62,123.31 h1.52
  text "Name" at 173.032,123.31 h1.52
  text "Material" at 195.124,123.31 h1.52
  text "Thickness" at 216.962,123.31 h1.52
  text "Constant" at 233.468,123.31 h1.52
  text "Board Layer Stack" at 247.942,123.31 h1.52
  text "1" at 162.62,120.262 h1.52
  text "TopOverlay" at 173.032,120.262 h1.52
  text "2" at 162.62,117.214 h1.52
  text "TopSolder" at 173.032,117.214 h1.52
  text "Solder Resist" at 195.124,117.214 h1.52
  text "0.40mil" at 216.962,117.214 h1.52
  text "3.6" at 233.468,117.214 h1.52
  text "Impedance control requirements, +/- 10%" at 42.675,116.225 h2.5
  text "3" at 162.62,114.166 h1.52
  text "L1" at 173.032,114.166 h1.52
  text "Copper" at 195.124,114.166 h1.52
  text "1.40mil" at 216.962,114.166 h1.52
  text "Can reduce L1 thickness to 0.7mil / for impedance control purpose" at 109.1,112.65 h1.5
  text "4" at 162.62,111.118 h1.52
  text "Dielectric1" at 173.032,111.118 h1.52
  text "FR-4" at 195.124,111.118 h1.52
  text "3.00mil" at 216.962,111.118 h1.52
  text "3.9" at 233.468,111.118 h1.52
  text "5" at 162.62,108.07 h1.52
  text "L2" at 173.032,108.07 h1.52
  text "Copper" at 195.124,108.07 h1.52
  text "0.70mil" at 216.962,108.07 h1.52
  text "6" at 162.62,105.022 h1.52
  text "Dielectric4" at 173.032,105.022 h1.52
  text "FR-4" at 195.124,105.022 h1.52
  text "4.00mil" at 216.962,105.022 h1.52
  text "4.4" at 233.468,105.022 h1.52
  text "7" at 162.62,101.974 h1.52
  text "L3" at 173.032,101.974 h1.52
  text "Copper" at 195.124,101.974 h1.52
  text "0.70mil" at 216.962,101.974 h1.52
  text "8" at 162.62,98.926 h1.52
  text "Dielectric2" at 173.032,98.926 h1.52
  text "FR-4" at 195.124,98.926 h1.52
  text "41.60mil" at 216.962,98.926 h1.52
  text "4.4" at 233.468,98.926 h1.52
  text "9" at 162.62,95.878 h1.52
  text "L4" at 173.032,95.878 h1.52
  text "Copper" at 195.124,95.878 h1.52
  text "0.70mil" at 216.962,95.878 h1.52
  text "10" at 162.62,92.83 h1.52
  text "Dielectric3" at 173.032,92.83 h1.52
  text "FR-4" at 195.124,92.83 h1.52
  text "4.00mil" at 216.962,92.83 h1.52
  text "4.4" at 233.468,92.83 h1.52
  text "11" at 162.62,89.782 h1.52
  text "L5" at 173.032,89.782 h1.52
  text "Copper" at 195.124,89.782 h1.52
  text "0.70mil" at 216.962,89.782 h1.52
  text "0.099/0.2 pairs = 100 ohm differential" at 43.3,88.4 h1.5 r90
  text "0.099/0.2 pairs = 100 ohm differential" at 51.7,88.2 h1.5 r90
  text "0.112/0.13 pairs = 90 ohm differential" at 82.8,87.9 h1.5 r90
  text "0.13/0.14 pairs = 85 ohm differential" at 74.3,86.85 h1.5 r90
  text "12" at 162.62,86.734 h1.52
  text "Dielectric5" at 173.032,86.734 h1.52
  text "FR-4" at 195.124,86.734 h1.52
  text "3.00mil" at 216.962,86.734 h1.52
  text "3.9" at 233.468,86.734 h1.52
  text "L1/L6 0.12mm = 50 ohm / L3/L4 0.13mm = 50 ohm" at 70.069,86.6 h1.5 r90
  text "13" at 162.62,83.686 h1.52
  text "L6" at 173.032,83.686 h1.52
  text "Copper" at 195.124,83.686 h1.52
  text "1.40mil" at 216.962,83.686 h1.52
  text "Can reduce L6 thickness to 0.7mil / for impedance control purpose" at 109.675,81.575 h1.5
  text "14" at 162.62,80.638 h1.52
  text "BottomSolder" at 173.032,80.638 h1.52
  text "Solder Resist" at 195.124,80.638 h1.52
  text "0.40mil" at 216.962,80.638 h1.52
  text "3.6" at 233.468,80.638 h1.52
  text "15" at 162.62,77.59 h1.52
  text "BottomOverlay" at 173.032,77.59 h1.52
  text "soldermask: green" at 161.45,71.475 h2
  text "silkscreen: white" at 161.25,67.575 h2
  text "Finish: immersion gold" at 161.35,63.475 h2
  text "0.13/0.14 pairs = 85 ohm differential" at 86.1,7.7 h1.5
  text "0.13/0.14 pairs = 85 ohm differential" at 83.8,3.4 h1.5
  text "bevel specification on card edge" at 32.1,-5.8 h2
  text "Edge connector bevel instructions and target board width" at 19.4,-28.3 h0.7
  text "15u\" gold on fingers" at 19.5,-31.1 h1
PCI-SIG Notes:
  text "- Nominal values used, dimensions in mm" at 104.4,63.184 h1.52
  text "- The mounting holes and keep-out areas around them are only required when the I/O bracket is mounted on the card directly" at 104.4,61.406 h1.52
  text "- Component height rule and clearance rule derived from PCI_Express_CEM_r2.0.pdf, Page 84." at 104.4,59.628 h1.52
  text "- Stackup is not specified in PCI_Express_CEM_r2.0.pdf, nor implemented in this template." at 104.4,57.85 h1.52
DrillDrawing:
  drawing of 169 lines, arcs and shapes, not listed
  text ".LEGEND" at 225.25,59.352 h1
  text "Drilling Details." at 225.25,57.523 h1
  text "Symbol" at 162.776,51.545 h1.83
  text "Count" at 175.626,51.545 h1.83
  text "Hole Size" at 192.131,51.545 h1.83
  text "Plated" at 221.333,51.545 h1.83
  text "Hole Type" at 234.182,51.545 h1.83
  text "Drill Layer Pair" at 252.821,51.545 h1.83
  text "Via/Pad" at 283.038,51.545 h1.83
  text "Pad Shape" at 298.02,51.545 h1.83
  text "Template" at 316.963,51.545 h1.83
  text "Description" at 359.622,51.545 h1.83
  text "Hole Tolerance (+)" at 381.308,51.545 h1.83
  text "Hole Tolerance (-)" at 415.182,51.545 h1.83
  text "1" at 175.626,47.735 h1.52
  text "1.600mm (62.99mil)" at 192.131,47.735 h1.52
  text "NPTH" at 221.333,47.735 h1.52
  text "Round" at 234.182,47.735 h1.52
  text "L1 - L6" at 252.821,47.735 h1.52
  text "Pad" at 283.038,47.735 h1.52
  text "Rounded" at 298.02,47.735 h1.52
  text "c160hn160" at 316.963,47.735 h1.52
  text "1" at 175.626,43.925 h1.52
  text "1.800mm (70.87mil)" at 192.131,43.925 h1.52
  text "NPTH" at 221.333,43.925 h1.52
  text "Round" at 234.182,43.925 h1.52
  text "L1 - L6" at 252.821,43.925 h1.52
  text "Pad" at 283.038,43.925 h1.52
  text "Rounded" at 298.02,43.925 h1.52
  text "c180hn180" at 316.963,43.925 h1.52
  text "2" at 175.626,40.115 h1.52
  text "0.650mm (25.59mil)" at 192.131,40.115 h1.52
  text "PTH" at 221.333,40.115 h1.52
  text "Slot" at 234.182,40.115 h1.52
  text "L1 - L6" at 252.821,40.115 h1.52
  text "Pad" at 283.038,40.115 h1.52
  text "Rounded" at 298.02,40.115 h1.52
  text "r125_165h65_105r100m132_172" at 316.963,40.115 h1.52
  text "B" at 162.038,39.861 h1.69
  text "2" at 175.626,36.305 h1.52
  text "0.700mm (27.56mil)" at 192.131,36.305 h1.52
  text "PTH" at 221.333,36.305 h1.52
  text "Slot" at 234.182,36.305 h1.52
  text "L1 - L6" at 252.821,36.305 h1.52
  text "Pad" at 283.038,36.305 h1.52
  text "Rounded" at 298.02,36.305 h1.52
  text "r130_312h70_130r100m137_319" at 316.963,36.305 h1.52
  text "A" at 162.038,36.051 h1.69
  text "2" at 175.626,32.495 h1.52
  text "1.500mm (59.06mil)" at 192.131,32.495 h1.52
  text "NPTH" at 221.333,32.495 h1.52
  text "Round" at 234.182,32.495 h1.52
  text "L1 - L6" at 252.821,32.495 h1.52
  text "Pad" at 283.038,32.495 h1.52
  text "Rounded" at 298.02,32.495 h1.52
  text "c130hn150" at 316.963,32.495 h1.52
  text "2" at 175.626,28.685 h1.52
  text "1.600mm (62.99mil)" at 192.131,28.685 h1.52
  text "PTH" at 221.333,28.685 h1.52
  text "Round" at 234.182,28.685 h1.52
  text "L1 - L6" at 252.821,28.685 h1.52
  text "Pad" at 283.038,28.685 h1.52
  text "Rounded" at 298.02,28.685 h1.52
  text "c250h160" at 316.963,28.685 h1.52
  text "2" at 175.626,24.875 h1.52
  text "3.250mm (127.95mil)" at 192.131,24.875 h1.52
  text "NPTH" at 221.333,24.875 h1.52
  text "Round" at 234.182,24.875 h1.52
  text "L1 - L6" at 252.821,24.875 h1.52
  text "Pad" at 283.038,24.875 h1.52
  text "Rounded" at 298.02,24.875 h1.52
  text "c160hn325" at 316.963,24.875 h1.52
  text "4" at 175.626,21.065 h1.52
  text "0.650mm (25.59mil)" at 192.131,21.065 h1.52
  text "PTH" at 221.333,21.065 h1.52
  text "Slot" at 234.182,21.065 h1.52
  text "L1 - L6" at 252.821,21.065 h1.52
  text "Pad" at 283.038,21.065 h1.52
  text "Rounded" at 298.02,21.065 h1.52
  text "r150_255h65_170r100m157_262" at 316.963,21.065 h1.52
  text "4" at 175.626,17.255 h1.52
  text "2.700mm (106.30mil)" at 192.131,17.255 h1.52
  text "NPTH" at 221.333,17.255 h1.52
  text "Round" at 234.182,17.255 h1.52
  text "L1 - L6" at 252.821,17.255 h1.52
  text "Pad" at 283.038,17.255 h1.52
  text "Rounded" at 298.02,17.255 h1.52
  text "(Mixed)" at 316.963,17.255 h1.52
  text "4" at 175.626,13.445 h1.52
  text "3.180mm (125.20mil)" at 192.131,13.445 h1.52
  text "NPTH" at 221.333,13.445 h1.52
  text "Round" at 234.182,13.445 h1.52
  text "L1 - L6" at 252.821,13.445 h1.52
  text "Pad" at 283.038,13.445 h1.52
  text "Rounded" at 298.02,13.445 h1.52
  text "(Mixed)" at 316.963,13.445 h1.52
  text "6" at 175.626,9.635 h1.52
  text "0.900mm (35.43mil)" at 192.131,9.635 h1.52
  text "PTH" at 221.333,9.635 h1.52
  text "Slot" at 234.182,9.635 h1.52
  text "L1 - L6" at 252.821,9.635 h1.52
  text "Pad" at 283.038,9.635 h1.52
  text "Rounded" at 298.02,9.635 h1.52
  text "r150_230h90_170r100m157_237" at 316.963,9.635 h1.52
  text "6" at 175.626,5.825 h1.52
  text "0.900mm (35.43mil)" at 192.131,5.825 h1.52
  text "PTH" at 221.333,5.825 h1.52
  text "Slot" at 234.182,5.825 h1.52
  text "L1 - L6" at 252.821,5.825 h1.52
  text "Pad" at 283.038,5.825 h1.52
  text "Rounded" at 298.02,5.825 h1.52
  text "r150_330h90_270r100m157_337" at 316.963,5.825 h1.52
  text "15" at 175.626,2.015 h1.52
  text "0.330mm (12.99mil)" at 192.131,2.015 h1.52
  text "PTH" at 221.333,2.015 h1.52
  text "Round" at 234.182,2.015 h1.52
  text "L1 - L6" at 252.821,2.015 h1.52
  text "Via" at 283.038,2.015 h1.52
  text "Rounded" at 298.02,2.015 h1.52
  text "(Mixed)" at 316.963,2.015 h1.52
  text "49" at 175.626,-1.795 h1.52
  text "0.900mm (35.43mil)" at 192.131,-1.795 h1.52
  text "PTH" at 221.333,-1.795 h1.52
  text "Round" at 234.182,-1.795 h1.52
  text "L1 - L6" at 252.821,-1.795 h1.52
  text "Pad" at 283.038,-1.795 h1.52
  text "(Mixed)" at 298.02,-1.795 h1.52
  text "(Mixed)" at 316.963,-1.795 h1.52
  text "954" at 175.626,-5.605 h1.52
  text "0.250mm (9.84mil)" at 192.131,-5.605 h1.52
  text "PTH" at 221.333,-5.605 h1.52
  text "Round" at 234.182,-5.605 h1.52
  text "L1 - L6" at 252.821,-5.605 h1.52
  text "Via" at 283.038,-5.605 h1.52
  text "Rounded" at 298.02,-5.605 h1.52
  text "(Mixed)" at 316.963,-5.605 h1.52
  text "1054 Total" at 175.626,-9.415 h1.52
  text "Slot definitions :" at 162.776,-13.097 h1.52
  text "Routed Path Length" at 189.007,-13.097 h1.52
  text "= Calculated from tool start centre position to tool end centre position." at 217.015,-13.097 h1.52
  text "Hole Length" at 189.007,-15.637 h1.52
  text "= Routed Path Length + Tool Size = Slot length as defined in the PCB layout" at 206.604,-15.637 h1.52

## Dimensions
0,0 to 0,100 on PCI-SIG Dimensions
0,4.5 to 0,100 on PCI-SIG Dimensions
0,111.15 to 90,111.15 on PCI-SIG Dimensions

## Text inside footprints (layer, text, board x,y; h text height)
P11C: BottomOverlay "20" at 52.246,27.262 h1.27; BottomOverlay "19" at 52.246,24.722 h1.27; BottomOverlay "1" at 79.17,24.722 h1.27; BottomOverlay "2" at 79.17,27.262 h1.27